# Altium PCB WX0.000.863拼板.PcbDoc (part 1 of 15)
Units mm, origin at the board's own origin, x right, y up, seen from the top; angles counter-clockwise.
Board outline 150.37 x 286.89 mm, 2 copper layers (Top Layer, Bottom Layer); 840 components, 0 nets, 2516 pads, 1604 vias.
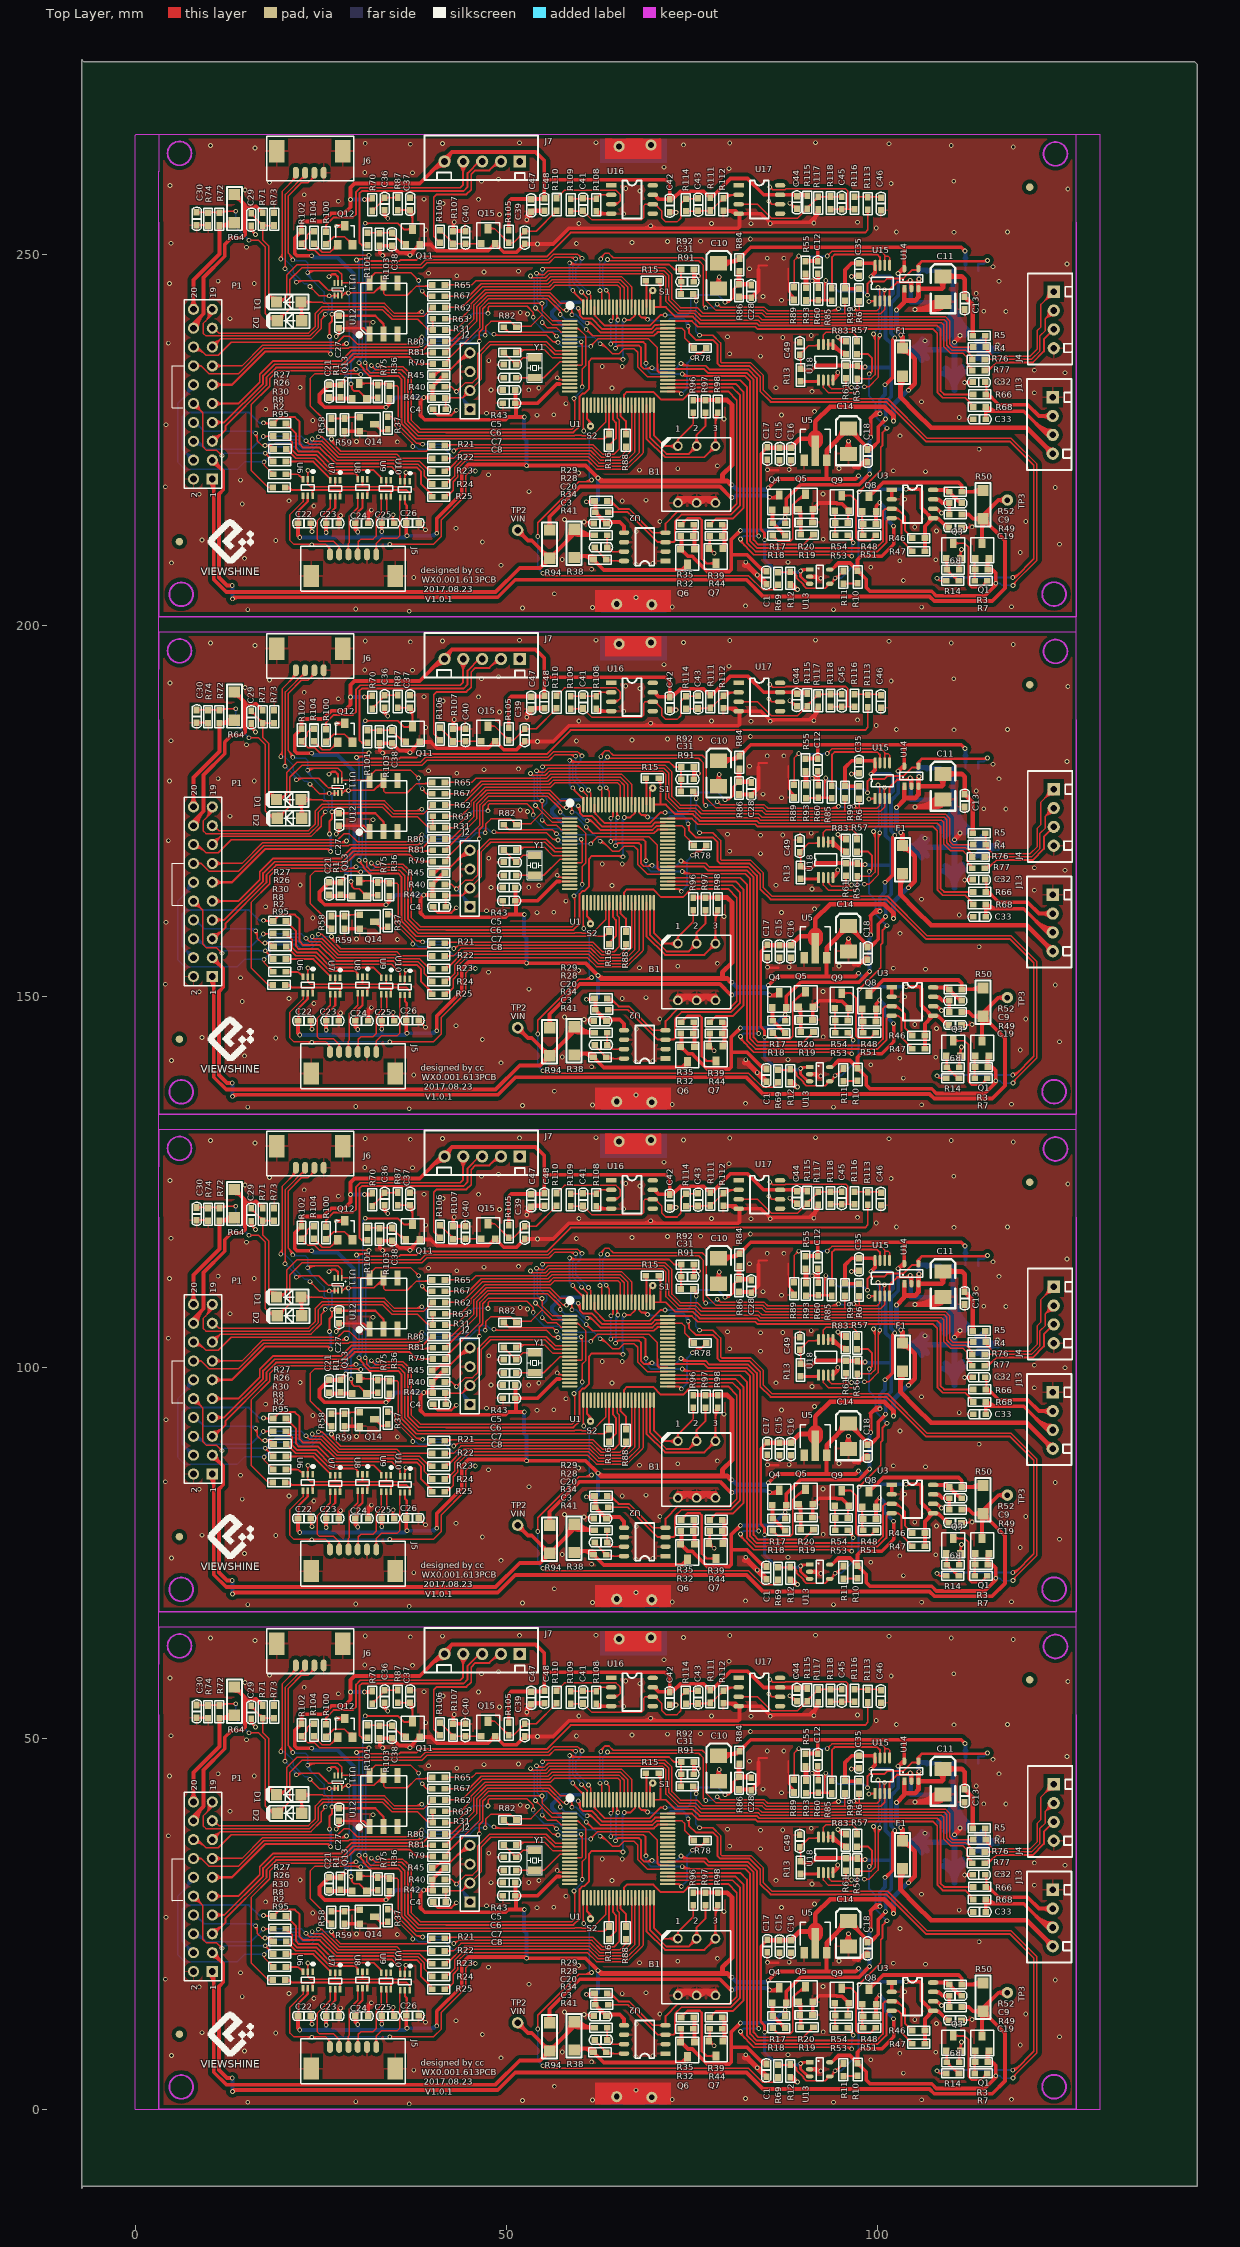
[diagram p0: Top Layer view]
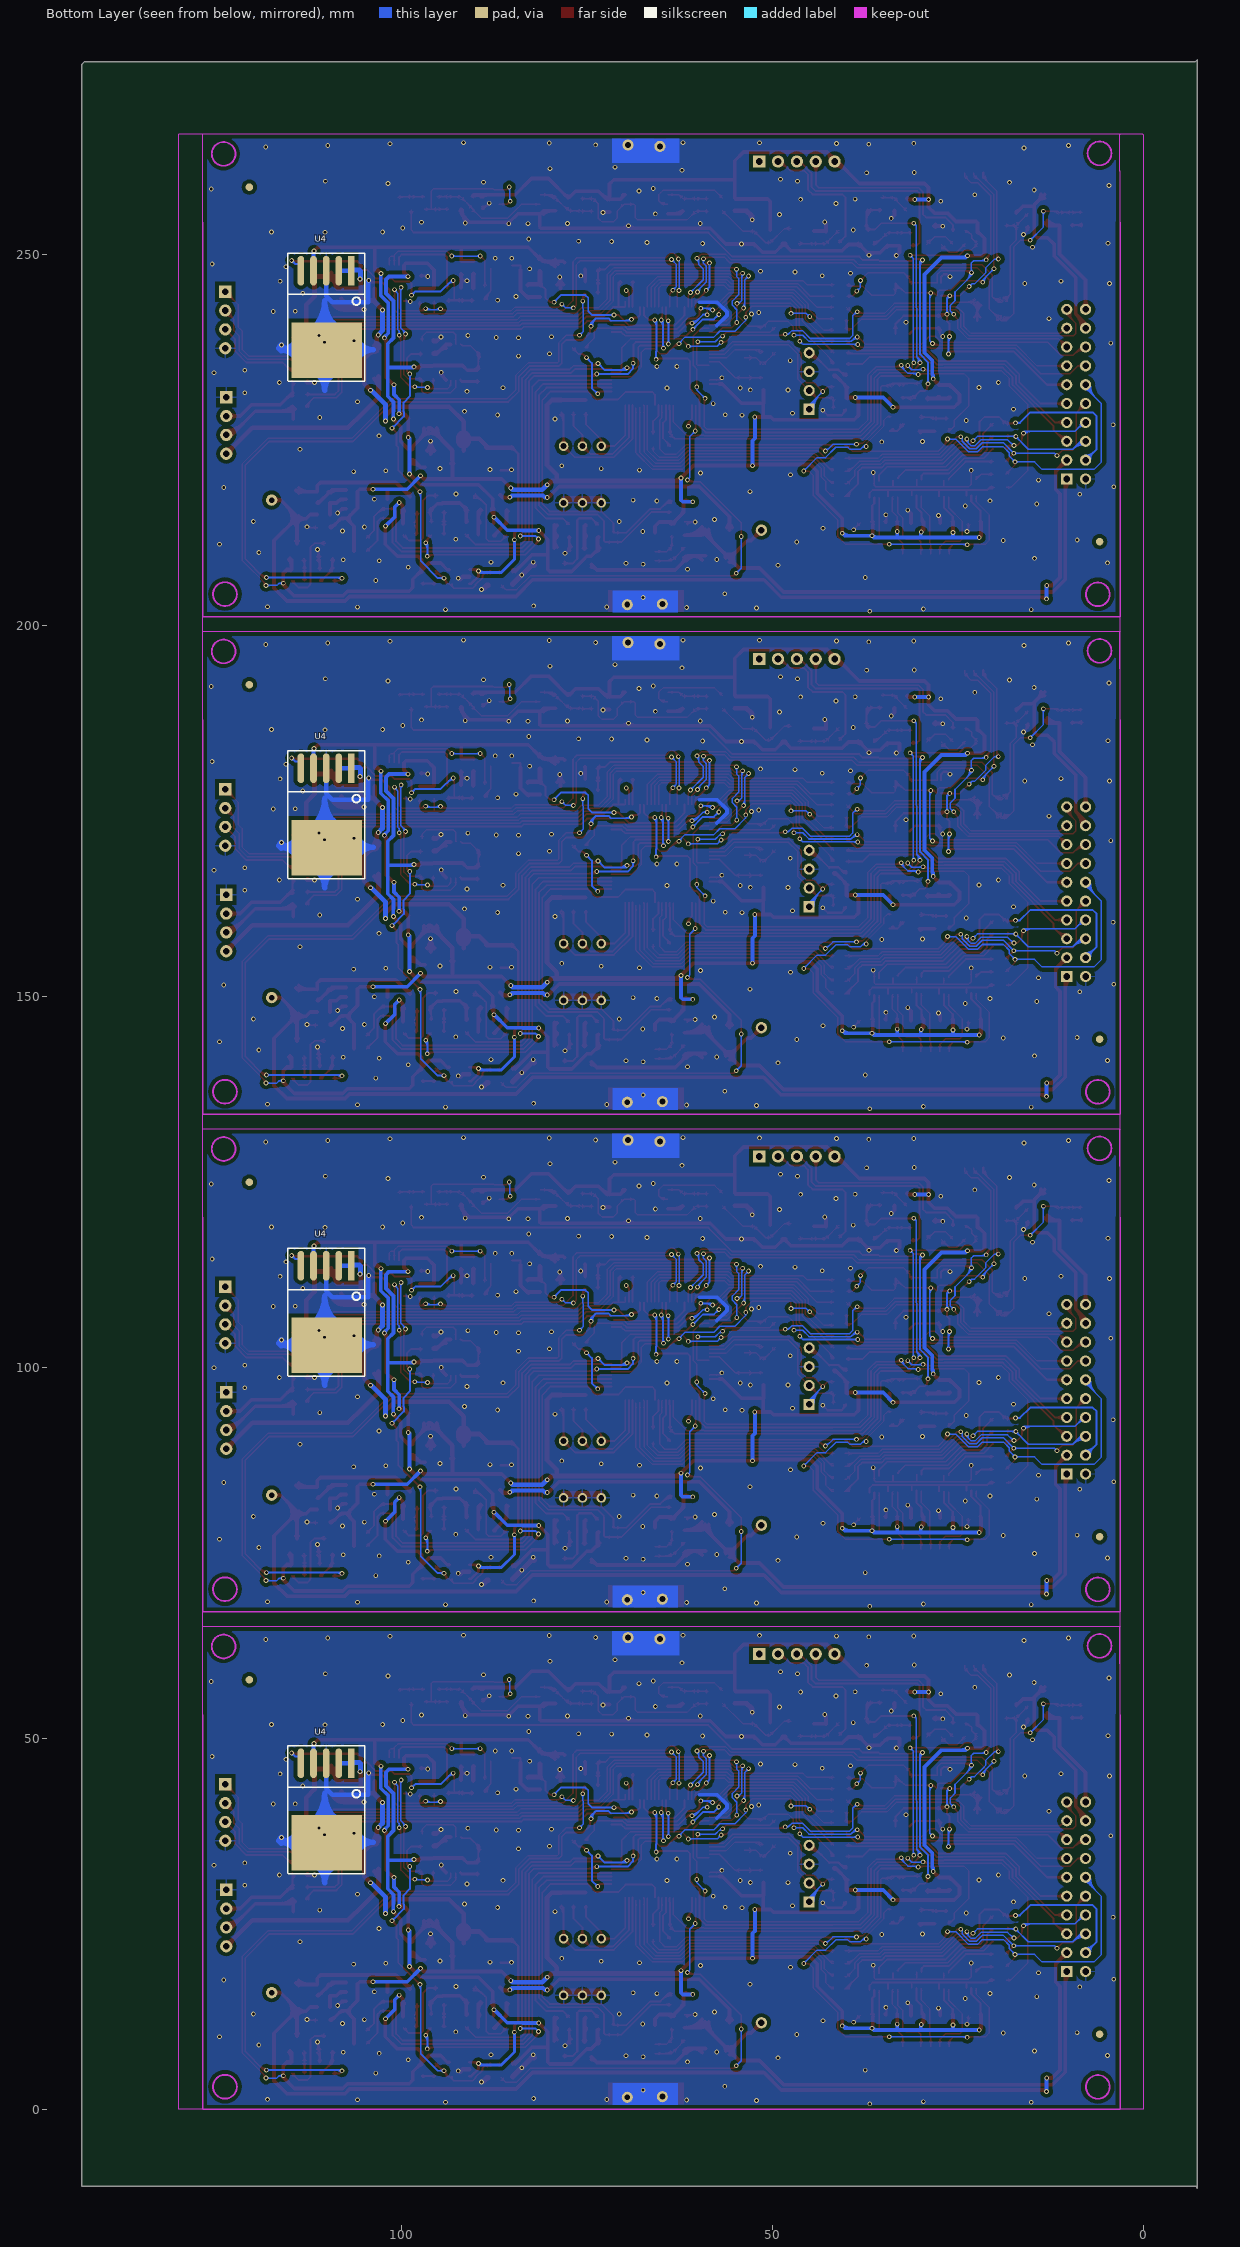
[diagram p1: Bottom Layer view, seen from below]

## Layer stack, top to bottom
Top Solder: solder mask 0.0102, Solder Resist, Dk 3.5
Top Layer: signal copper 0.0356
Dielectric1: dielectric 0.32, FR-4, Dk 4.8
Bottom Layer: signal copper 0.0356
Bottom Solder: solder mask 0.0102, Solder Resist, Dk 3.5

## Board outline
-7.112,-10.414 123.825,-10.414 143.129,-10.414 143.129,23.749 143.129,275.59 142.748,275.971 23.495,275.971 -6.985,275.971 -7.239,276.225 -7.239,-10.668

## Design rules (kind name [scope] priority, off if disabled: settings)
Clearance [All] p1: gap=0.254 ignorepadtopadclearanceinfootprint=FALSE except(0: Arc-Hole Track-Hole SMDPad-Hole THPad-Hole Via-Hole Fill-Hole Poly-Hole Region-Hole Text-Hole)
PolygonConnect [All] p1: connectstyle=Relief reliefconductorwidth=0.254 reliefentries=4 polygonreliefangle="90 Angle" airgapwidth=0.254
RoutingVias [All] p1: holewidth=0.711 width=1.27 viastyle="Through Hole" minholewidth=0.711 minwidth=1.27 maxholewidth=0.711 maxwidth=1.27
SilkToSolderMaskClearance SilkscreenOverComponentPads [IsPad] p1: minsilkscreentomaskgap=0.254 clearancetoexposedcopper=TRUE
SolderMaskExpansion [All] p1: expansion=0.102
Width [All] p1: maxlimit=0.254 minlimit=0.254 preferedwidth=0.254
29 further rules are at their usual default settings.

## Components (designator, comment, footprint, x,y, rotation, side; value= is the part's Value field where it differs from the comment)
B1 "BOMA-3" BOMA-3 75.641,19.152 r0 top
B1 "BOMA-3" BOMA-3 75.641,86.208 r0 top
B1 "BOMA-3" BOMA-3 75.641,153.264 r0 top
B1 "BOMA-3" BOMA-3 75.641,220.32 r0 top
C1 "0.1u" C0603 85.039,6.071 r270 top
C1 "0.1u" C0603 85.039,73.127 r270 top
C1 "0.1u" C0603 85.039,140.183 r270 top
C1 "0.1u" C0603 85.039,207.239 r270 top
C3 "0.1u" C0603 63.576,9.322 r180 top
C3 "0.1u" C0603 63.576,76.378 r180 top
C3 "0.1u" C0603 63.576,143.434 r180 top
C3 "0.1u" C0603 63.576,210.49 r180 top
C4 "0.1u" C0603 40.117,27.94 r0 top
C4 "0.1u" C0603 40.117,94.996 r0 top
C4 "0.1u" C0603 40.117,162.052 r0 top
C4 "0.1u" C0603 40.117,229.108 r0 top
C5 "10Pf" c0603 49.631,33.96 r0 top
C5 "10Pf" c0603 49.631,101.016 r0 top
C5 "10Pf" c0603 49.631,168.072 r0 top
C5 "10Pf" c0603 49.631,235.128 r0 top
C6 "10Pf" c0603 49.631,32.182 r0 top
C6 "10Pf" c0603 49.631,99.238 r0 top
C6 "10Pf" c0603 49.631,166.294 r0 top
C6 "10Pf" c0603 49.631,233.35 r0 top
C7 "0.1u" C0603 51.206,30.531 r180 top
C7 "0.1u" C0603 51.206,97.587 r180 top
C7 "0.1u" C0603 51.206,164.643 r180 top
C7 "0.1u" C0603 51.206,231.699 r180 top
C8 "10uF" C0603 51.206,28.753 r180 top
C8 "10uF" C0603 51.206,95.809 r180 top
C8 "10uF" C0603 51.206,162.865 r180 top
C8 "10uF" C0603 51.206,229.921 r180 top
C9 "0.1u" C0603 109.677,15.291 r0 top
C9 "0.1u" C0603 109.677,82.347 r0 top
C9 "0.1u" C0603 109.677,149.403 r0 top
C9 "0.1u" C0603 109.677,216.459 r0 top
C10 "100uF" 3528 78.613,47.625 r90 top
C10 "100uF" 3528 78.613,114.681 r90 top
C10 "100uF" 3528 78.613,181.737 r90 top
C10 "100uF" 3528 78.613,248.793 r90 top
C11 "100uF" 3528 108.839,45.847 r90 top
C11 "100uF" 3528 108.839,112.903 r90 top
C11 "100uF" 3528 108.839,179.959 r90 top
C11 "100uF" 3528 108.839,247.015 r90 top
C12 "0.1u" C0603 91.973,46.228 r90 top
C12 "0.1u" C0603 91.973,113.284 r90 top
C12 "0.1u" C0603 91.973,180.34 r90 top
C12 "0.1u" C0603 91.973,247.396 r90 top
C13 "0.1u" C0603 111.76,41.402 r90 top
C13 "0.1u" C0603 111.76,108.458 r90 top
C13 "0.1u" C0603 111.76,175.514 r90 top
C13 "0.1u" C0603 111.76,242.57 r90 top
C14 "100uF" 3528 96.088,25.358 r90 top
C14 "100uF" 3528 96.088,92.414 r90 top
C14 "100uF" 3528 96.088,159.47 r90 top
C14 "100uF" 3528 96.088,226.526 r90 top
C15 "0.1u" C0603 86.817,21.082 r90 top
C15 "0.1u" C0603 86.817,88.138 r90 top
C15 "0.1u" C0603 86.817,155.194 r90 top
C15 "0.1u" C0603 86.817,222.25 r90 top
C16 "100p" C0603 88.341,21.082 r90 top
C16 "100p" C0603 88.341,88.138 r90 top
C16 "100p" C0603 88.341,155.194 r90 top
C16 "100p" C0603 88.341,222.25 r90 top
C17 "0.1u" C0603 85.166,21.133 r90 top
C17 "0.1u" C0603 85.166,88.189 r90 top
C17 "0.1u" C0603 85.166,155.245 r90 top
C17 "0.1u" C0603 85.166,222.301 r90 top
C18 "0.1u" C0603 98.679,20.828 r90 top
C18 "0.1u" C0603 98.679,87.884 r90 top
C18 "0.1u" C0603 98.679,154.94 r90 top
C18 "0.1u" C0603 98.679,221.996 r90 top
C19 "0.1u" C0603 111.328,11.989 r180 top
C19 "0.1u" C0603 111.328,79.045 r180 top
C19 "0.1u" C0603 111.328,146.101 r180 top
C19 "0.1u" C0603 111.328,213.157 r180 top
C20 "0.1u" C0603 61.798,12.548 r0 top
C20 "0.1u" C0603 61.798,79.604 r0 top
C20 "0.1u" C0603 61.798,146.66 r0 top
C20 "0.1u" C0603 61.798,213.716 r0 top
C21 "1nf" C0603 26.111,31.217 r270 top
C21 "1nf" C0603 26.111,98.273 r270 top
C21 "1nf" C0603 26.111,165.329 r270 top
C21 "1nf" C0603 26.111,232.385 r270 top
C22 "0.1u" C0603 21.92,12.573 r0 top
C22 "0.1u" C0603 21.92,79.629 r0 top
C22 "0.1u" C0603 21.92,146.685 r0 top
C22 "0.1u" C0603 21.92,213.741 r0 top
C23 "0.1u" C0603 25.73,12.573 r0 top
C23 "0.1u" C0603 25.73,79.629 r0 top
C23 "0.1u" C0603 25.73,146.685 r0 top
C23 "0.1u" C0603 25.73,213.741 r0 top
C24 "0.1u" C0603 29.667,12.573 r0 top
C24 "0.1u" C0603 29.667,79.629 r0 top
C24 "0.1u" C0603 29.667,146.685 r0 top
C24 "0.1u" C0603 29.667,213.741 r0 top
C25 "0.1u" C0603 33.223,12.573 r0 top
C25 "0.1u" C0603 33.223,79.629 r0 top
C25 "0.1u" C0603 33.223,146.685 r0 top
C25 "0.1u" C0603 33.223,213.741 r0 top
C26 "0.1u" C0603 36.512,12.624 r0 top
C26 "0.1u" C0603 36.512,79.68 r0 top
C26 "0.1u" C0603 36.512,146.736 r0 top
C26 "0.1u" C0603 36.512,213.792 r0 top
C27 "0.1u" C0603 27.457,38.862 r90 top
C27 "0.1u" C0603 27.457,105.918 r90 top
C27 "0.1u" C0603 27.457,172.974 r90 top
C27 "0.1u" C0603 27.457,240.03 r90 top
C28 "1nF" C0603 83.007,43.002 r90 top
C28 "1nF" C0603 83.007,110.058 r90 top
C28 "1nF" C0603 83.007,177.114 r90 top
C28 "1nF" C0603 83.007,244.17 r90 top
C29 "1nF" C0603 15.621,52.654 r90 top
C29 "1nF" C0603 15.621,119.71 r90 top
C29 "1nF" C0603 15.621,186.766 r90 top
C29 "1nF" C0603 15.621,253.822 r90 top
C30 "1nF" C0603 8.255,52.781 r90 top
C30 "1nF" C0603 8.255,119.837 r90 top
C30 "1nF" C0603 8.255,186.893 r90 top
C30 "1nF" C0603 8.255,253.949 r90 top
C31 "1nF" C0603 75.235,45.136 r180 top
C31 "1nF" C0603 75.235,112.192 r180 top
C31 "1nF" C0603 75.235,179.248 r180 top
C31 "1nF" C0603 75.235,246.304 r180 top
C32 "100p" C0603 112.852,31.598 r0 top
C32 "100p" C0603 112.852,98.654 r0 top
C32 "100p" C0603 112.852,165.71 r0 top
C32 "100p" C0603 112.852,232.766 r0 top
C33 "100p" C0603 114.605,26.594 r180 top
C33 "100p" C0603 114.605,93.65 r180 top
C33 "100p" C0603 114.605,160.706 r180 top
C33 "100p" C0603 114.605,227.762 r180 top
C35 "0.1uF" c0603 97.536,47.625 r270 top
C35 "0.1uF" c0603 97.536,114.681 r270 top
C35 "0.1uF" c0603 97.536,181.737 r270 top
C35 "0.1uF" c0603 97.536,248.793 r270 top
C36 "0.1u" C0603 33.579,54.788 r90 top
C36 "0.1u" C0603 33.579,121.844 r90 top
C36 "0.1u" C0603 33.579,188.9 r90 top
C36 "0.1u" C0603 33.579,255.956 r90 top
C37 "100pf" C0603 37.008,54.788 r90 top
C37 "100pf" C0603 37.008,121.844 r90 top
C37 "100pf" C0603 37.008,188.9 r90 top
C37 "100pf" C0603 37.008,255.956 r90 top
C38 "10pf" C0603 34.569,51.689 r270 top
C38 "10pf" C0603 34.569,118.745 r270 top
C38 "10pf" C0603 34.569,185.801 r270 top
C38 "10pf" C0603 34.569,252.857 r270 top
C39 "100p" C0603 52.476,51.918 r270 top
C39 "100p" C0603 52.476,118.974 r270 top
C39 "100p" C0603 52.476,186.03 r270 top
C39 "100p" C0603 52.476,253.086 r270 top
C40 "10p" C0603 44.475,50.267 r90 top
C40 "10p" C0603 44.475,117.323 r90 top
C40 "10p" C0603 44.475,184.379 r90 top
C40 "10p" C0603 44.475,251.435 r90 top
C41 "100p" C0603 60.325,54.686 r90 top
C41 "100p" C0603 60.325,121.742 r90 top
C41 "100p" C0603 60.325,188.798 r90 top
C41 "100p" C0603 60.325,255.854 r90 top
C42 "0.1u" C0603 72.009,56.21 r270 top
C42 "0.1u" C0603 72.009,123.266 r270 top
C42 "0.1u" C0603 72.009,190.322 r270 top
C42 "0.1u" C0603 72.009,257.378 r270 top
C43 "100p" C0603 75.844,54.686 r90 top
C43 "100p" C0603 75.844,121.742 r90 top
C43 "100p" C0603 75.844,188.798 r90 top
C43 "100p" C0603 75.844,255.854 r90 top
C44 "0.1u" C0603 89.154,56.654 r270 top
C44 "0.1u" C0603 89.154,123.71 r270 top
C44 "0.1u" C0603 89.154,190.766 r270 top
C44 "0.1u" C0603 89.154,257.822 r270 top
C45 "10p" C0603 95.199,54.915 r90 top
C45 "10p" C0603 95.199,121.971 r90 top
C45 "10p" C0603 95.199,189.027 r90 top
C45 "10p" C0603 95.199,256.083 r90 top
C46 "0.1u" C0603 100.482,56.464 r270 top
C46 "0.1u" C0603 100.482,123.52 r270 top
C46 "0.1u" C0603 100.482,190.576 r270 top
C46 "0.1u" C0603 100.482,257.632 r270 top
C47 "0.1u" C0603 53.34,56.261 r270 top
C47 "0.1u" C0603 53.34,123.317 r270 top
C47 "0.1u" C0603 53.34,190.373 r270 top
C47 "0.1u" C0603 53.34,257.429 r270 top
C48 "10uF" C0603 55.118,56.388 r270 top
C48 "10uF" C0603 55.118,123.444 r270 top
C48 "10uF" C0603 55.118,190.5 r270 top
C48 "10uF" C0603 55.118,257.556 r270 top
C49 "0.1uF" c0603 89.535,35.306 r90 top
C49 "0.1uF" c0603 89.535,102.362 r90 top
C49 "0.1uF" c0603 89.535,169.418 r90 top
C49 "0.1uF" c0603 89.535,236.474 r90 top
D1 "DSK14" LL34 20.676,42.393 r180 top
D1 "DSK14" LL34 20.676,109.449 r180 top
D1 "DSK14" LL34 20.676,176.505 r180 top
D1 "DSK14" LL34 20.676,243.561 r180 top
D2 "DSK14" LL34 20.777,39.878 r180 top
D2 "DSK14" LL34 20.777,106.934 r180 top
D2 "DSK14" LL34 20.777,173.99 r180 top
D2 "DSK14" LL34 20.777,241.046 r180 top
F1 "1A" R1206 103.378,34.29 r90 top
F1 "1A" R1206 103.378,101.346 r90 top
F1 "1A" R1206 103.378,168.402 r90 top
F1 "1A" R1206 103.378,235.458 r90 top
J2 "Header 4" HDR1X4 45.085,27.94 r90 top
J2 "Header 4" HDR1X4 45.085,94.996 r90 top
J2 "Header 4" HDR1X4 45.085,162.052 r90 top
J2 "Header 4" HDR1X4 45.085,229.108 r90 top
J4 "Header 4" HDX4 123.774,39.98 r0 top
J4 "Header 4" HDX4 123.774,107.036 r0 top
J4 "Header 4" HDX4 123.774,174.092 r0 top
J4 "Header 4" HDX4 123.774,241.148 r0 top
J5 "CARD1608" SMT-1.25-6 29.337,8.382 r0 top
J5 "CARD1608" SMT-1.25-6 29.337,75.438 r0 top
J5 "CARD1608" SMT-1.25-6 29.337,142.494 r0 top
J5 "CARD1608" SMT-1.25-6 29.337,209.55 r0 top
J6 "Header 4" SMT-1.25-4 23.495,59.817 r180 top
J6 "Header 4" SMT-1.25-4 23.495,126.873 r180 top
J6 "Header 4" SMT-1.25-4 23.495,193.929 r180 top
J6 "Header 4" SMT-1.25-4 23.495,260.985 r180 top
J7 "TEM" JP5 44.196,61.341 r270 top
J7 "TEM" JP5 44.196,128.397 r270 top
J7 "TEM" JP5 44.196,195.453 r270 top
J7 "TEM" JP5 44.196,262.509 r270 top
J13 "Header 4" HDX4 123.647,25.756 r0 top
J13 "Header 4" HDX4 123.647,92.812 r0 top
J13 "Header 4" HDX4 123.647,159.868 r0 top
J13 "Header 4" HDX4 123.647,226.924 r0 top
P1 "Header 10X2" HDR2X10 10.363,18.549 r90 top
P1 "Header 10X2" HDR2X10 10.363,85.605 r90 top
P1 "Header 10X2" HDR2X10 10.363,152.661 r90 top
P1 "Header 10X2" HDR2X10 10.363,219.717 r90 top
Q1 "RZR040P01TL" SOT-23-MOS 114.096,8.712 r0 top
Q1 "RZR040P01TL" SOT-23-MOS 114.096,75.768 r0 top
Q1 "RZR040P01TL" SOT-23-MOS 114.096,142.824 r0 top
Q1 "RZR040P01TL" SOT-23-MOS 114.096,209.88 r0 top
Q3 "9013" SOT-23-TRAN 110.236,8.738 r0 top
Q3 "9013" SOT-23-TRAN 110.236,75.794 r0 top
Q3 "9013" SOT-23-TRAN 110.236,142.85 r0 top
Q3 "9013" SOT-23-TRAN 110.236,209.906 r0 top
Q4 "RZR040P01TL" SOT-23-MOS 86.766,15.24 r0 top
Q4 "RZR040P01TL" SOT-23-MOS 86.766,82.296 r0 top
Q4 "RZR040P01TL" SOT-23-MOS 86.766,149.352 r0 top
Q4 "RZR040P01TL" SOT-23-MOS 86.766,216.408 r0 top
Q5 "9013" SOT-23-TRAN 90.322,15.367 r0 top
Q5 "9013" SOT-23-TRAN 90.322,82.423 r0 top
Q5 "9013" SOT-23-TRAN 90.322,149.479 r0 top
Q5 "9013" SOT-23-TRAN 90.322,216.535 r0 top
Q6 "RZR040P01TL" SOT-23-MOS 74.422,8.179 r180 top
Q6 "RZR040P01TL" SOT-23-MOS 74.422,75.235 r180 top
Q6 "RZR040P01TL" SOT-23-MOS 74.422,142.291 r180 top
Q6 "RZR040P01TL" SOT-23-MOS 74.422,209.347 r180 top
Q7 "9013" SOT-23-TRAN 78.246,8.306 r180 top
Q7 "9013" SOT-23-TRAN 78.246,75.362 r180 top
Q7 "9013" SOT-23-TRAN 78.246,142.418 r180 top
Q7 "9013" SOT-23-TRAN 78.246,209.474 r180 top
Q8 "RZR040P01TL" SOT-23-MOS 98.882,15.037 r0 top
Q8 "RZR040P01TL" SOT-23-MOS 98.882,82.093 r0 top
Q8 "RZR040P01TL" SOT-23-MOS 98.882,149.149 r0 top
Q8 "RZR040P01TL" SOT-23-MOS 98.882,216.205 r0 top
Q9 "9013" SOT-23-TRAN 95.199,15.164 r0 top
Q9 "9013" SOT-23-TRAN 95.199,82.22 r0 top
Q9 "9013" SOT-23-TRAN 95.199,149.276 r0 top
Q9 "9013" SOT-23-TRAN 95.199,216.332 r0 top
Q11 "9013" SOT-23-TRAN 37.363,51.054 r0 top
Q11 "9013" SOT-23-TRAN 37.363,118.11 r0 top
Q11 "9013" SOT-23-TRAN 37.363,185.166 r0 top
Q11 "9013" SOT-23-TRAN 37.363,252.222 r0 top
Q12 "9012" SOT23-9013 29.261,50.114 r0 top
Q12 "9012" SOT23-9013 29.261,117.17 r0 top
Q12 "9012" SOT23-9013 29.261,184.226 r0 top
Q12 "9012" SOT23-9013 29.261,251.282 r0 top
Q13 "9013" SOT-23-TRAN 30.175,30.277 r0 top
Q13 "9013" SOT-23-TRAN 30.175,97.333 r0 top
Q13 "9013" SOT-23-TRAN 30.175,164.389 r0 top
Q13 "9013" SOT-23-TRAN 30.175,231.445 r0 top
Q14 "9013" SOT-23-TRAN 31.115,25.933 r270 top
Q14 "9013" SOT-23-TRAN 31.115,92.989 r270 top
Q14 "9013" SOT-23-TRAN 31.115,160.045 r270 top
Q14 "9013" SOT-23-TRAN 31.115,227.101 r270 top
Q15 "9013" SOT-23-TRAN 47.523,51.156 r0 top
Q15 "9013" SOT-23-TRAN 47.523,118.212 r0 top
Q15 "9013" SOT-23-TRAN 47.523,185.268 r0 top
Q15 "9013" SOT-23-TRAN 47.523,252.324 r0 top
R1 "4.7k" R0603 27.635,29.566 r90 top
R1 "4.7k" R0603 27.635,96.622 r90 top
R1 "4.7k" R0603 27.635,163.678 r90 top
R1 "4.7k" R0603 27.635,230.734 r90 top
R2 "10" R0603 20.295,19.177 r180 top
R2 "10" R0603 20.295,86.233 r180 top
R2 "10" R0603 20.295,153.289 r180 top
R2 "10" R0603 20.295,220.345 r180 top
R3 "100k" R0603 113.157,6.35 r0 top
R3 "100k" R0603 113.157,73.406 r0 top
R3 "100k" R0603 113.157,140.462 r0 top
R3 "100k" R0603 113.157,207.518 r0 top
R4 "22" R0603 112.903,36.322 r0 top
R4 "22" R0603 112.903,103.378 r0 top
R4 "22" R0603 112.903,170.434 r0 top
R4 "22" R0603 112.903,237.49 r0 top
R5 "22" R0603 114.554,37.846 r180 top
R5 "22" R0603 114.554,104.902 r180 top
R5 "22" R0603 114.554,171.958 r180 top
R5 "22" R0603 114.554,239.014 r180 top
R6 "10K" R0603 97.536,44.196 r270 top
R6 "10K" R0603 97.536,111.252 r270 top
R6 "10K" R0603 97.536,178.308 r270 top
R6 "10K" R0603 97.536,245.364 r270 top
R7 "10k" R0603 114.808,4.826 r180 top
R7 "10k" R0603 114.808,71.882 r180 top
R7 "10k" R0603 114.808,138.938 r180 top
R7 "10k" R0603 114.808,205.994 r180 top
R8 "10" R0603 20.295,20.892 r180 top
R8 "10" R0603 20.295,87.947 r180 top
R8 "10" R0603 20.295,155.004 r180 top
R8 "10" R0603 20.295,222.059 r180 top
R9 "10k" R0603 110.998,4.826 r180 top
R9 "10k" R0603 110.998,71.882 r180 top
R9 "10k" R0603 110.998,138.938 r180 top
R9 "10k" R0603 110.998,205.994 r180 top
R10 "20k" R0603 97.333,4.496 r90 top
R10 "20k" R0603 97.333,71.552 r90 top
R10 "20k" R0603 97.333,138.608 r90 top
R10 "20k" R0603 97.333,205.664 r90 top
R11 "0" R0603 95.428,6.147 r270 top
R11 "0" R0603 95.428,73.203 r270 top
R11 "0" R0603 95.428,140.259 r270 top
R11 "0" R0603 95.428,207.315 r270 top
R12 "10k" R0603 88.265,4.318 r90 top
R12 "10k" R0603 88.265,71.374 r90 top
R12 "10k" R0603 88.265,138.43 r90 top
R12 "10k" R0603 88.265,205.486 r90 top
R13 "10k" R0603 89.662,33.401 r270 top
R13 "10k" R0603 89.662,100.457 r270 top
R13 "10k" R0603 89.662,167.513 r270 top
R13 "10k" R0603 89.662,234.569 r270 top
R14 "10k" R0603 109.347,6.325 r0 top
R14 "10k" R0603 109.347,73.381 r0 top
R14 "10k" R0603 109.347,140.437 r0 top
R14 "10k" R0603 109.347,207.493 r0 top
R15 "100" r0603 68.808,45.263 r0 top
R15 "100" r0603 68.808,112.319 r0 top
R15 "100" r0603 68.808,179.375 r0 top
R15 "100" r0603 68.808,246.431 r0 top
R16 "100" R0603 63.83,24.613 r270 top
R16 "100" R0603 63.83,91.669 r270 top
R16 "100" R0603 63.83,158.725 r270 top
R16 "100" R0603 63.83,225.781 r270 top
R17 "100k" R0603 85.877,12.573 r0 top
R17 "100k" R0603 85.877,79.629 r0 top
R17 "100k" R0603 85.877,146.685 r0 top
R17 "100k" R0603 85.877,213.741 r0 top
R18 "10k" R0603 85.877,10.922 r0 top
R18 "10k" R0603 85.877,77.978 r0 top
R18 "10k" R0603 85.877,145.034 r0 top
R18 "10k" R0603 85.877,212.09 r0 top
R19 "10k" R0603 89.687,11.049 r0 top
R19 "10k" R0603 89.687,78.105 r0 top
R19 "10k" R0603 89.687,145.161 r0 top
R19 "10k" R0603 89.687,212.217 r0 top
R20 "10k" R0603 89.56,12.7 r0 top
R20 "10k" R0603 89.56,79.756 r0 top
R20 "10k" R0603 89.56,146.812 r0 top
R20 "10k" R0603 89.56,213.868 r0 top
R21 "10K" R0603 41.707,23.037 r180 top
R21 "10K" R0603 41.707,90.093 r180 top
R21 "10K" R0603 41.707,157.149 r180 top
R21 "10K" R0603 41.707,224.205 r180 top
R22 "10k" R0603 41.707,21.317 r180 top
R22 "10k" R0603 41.707,88.373 r180 top
R22 "10k" R0603 41.707,155.429 r180 top
R22 "10k" R0603 41.707,222.485 r180 top
R23 "10k" R0603 41.707,19.596 r180 top
R23 "10k" R0603 41.707,86.652 r180 top
R23 "10k" R0603 41.707,153.708 r180 top
R23 "10k" R0603 41.707,220.764 r180 top
R24 "10k" R0603 41.707,17.875 r180 top
R24 "10k" R0603 41.707,84.931 r180 top
R24 "10k" R0603 41.707,151.987 r180 top
R24 "10k" R0603 41.707,219.043 r180 top
R25 "10k" R0603 41.707,16.154 r180 top